# Allegro board MCU.brd (continued)
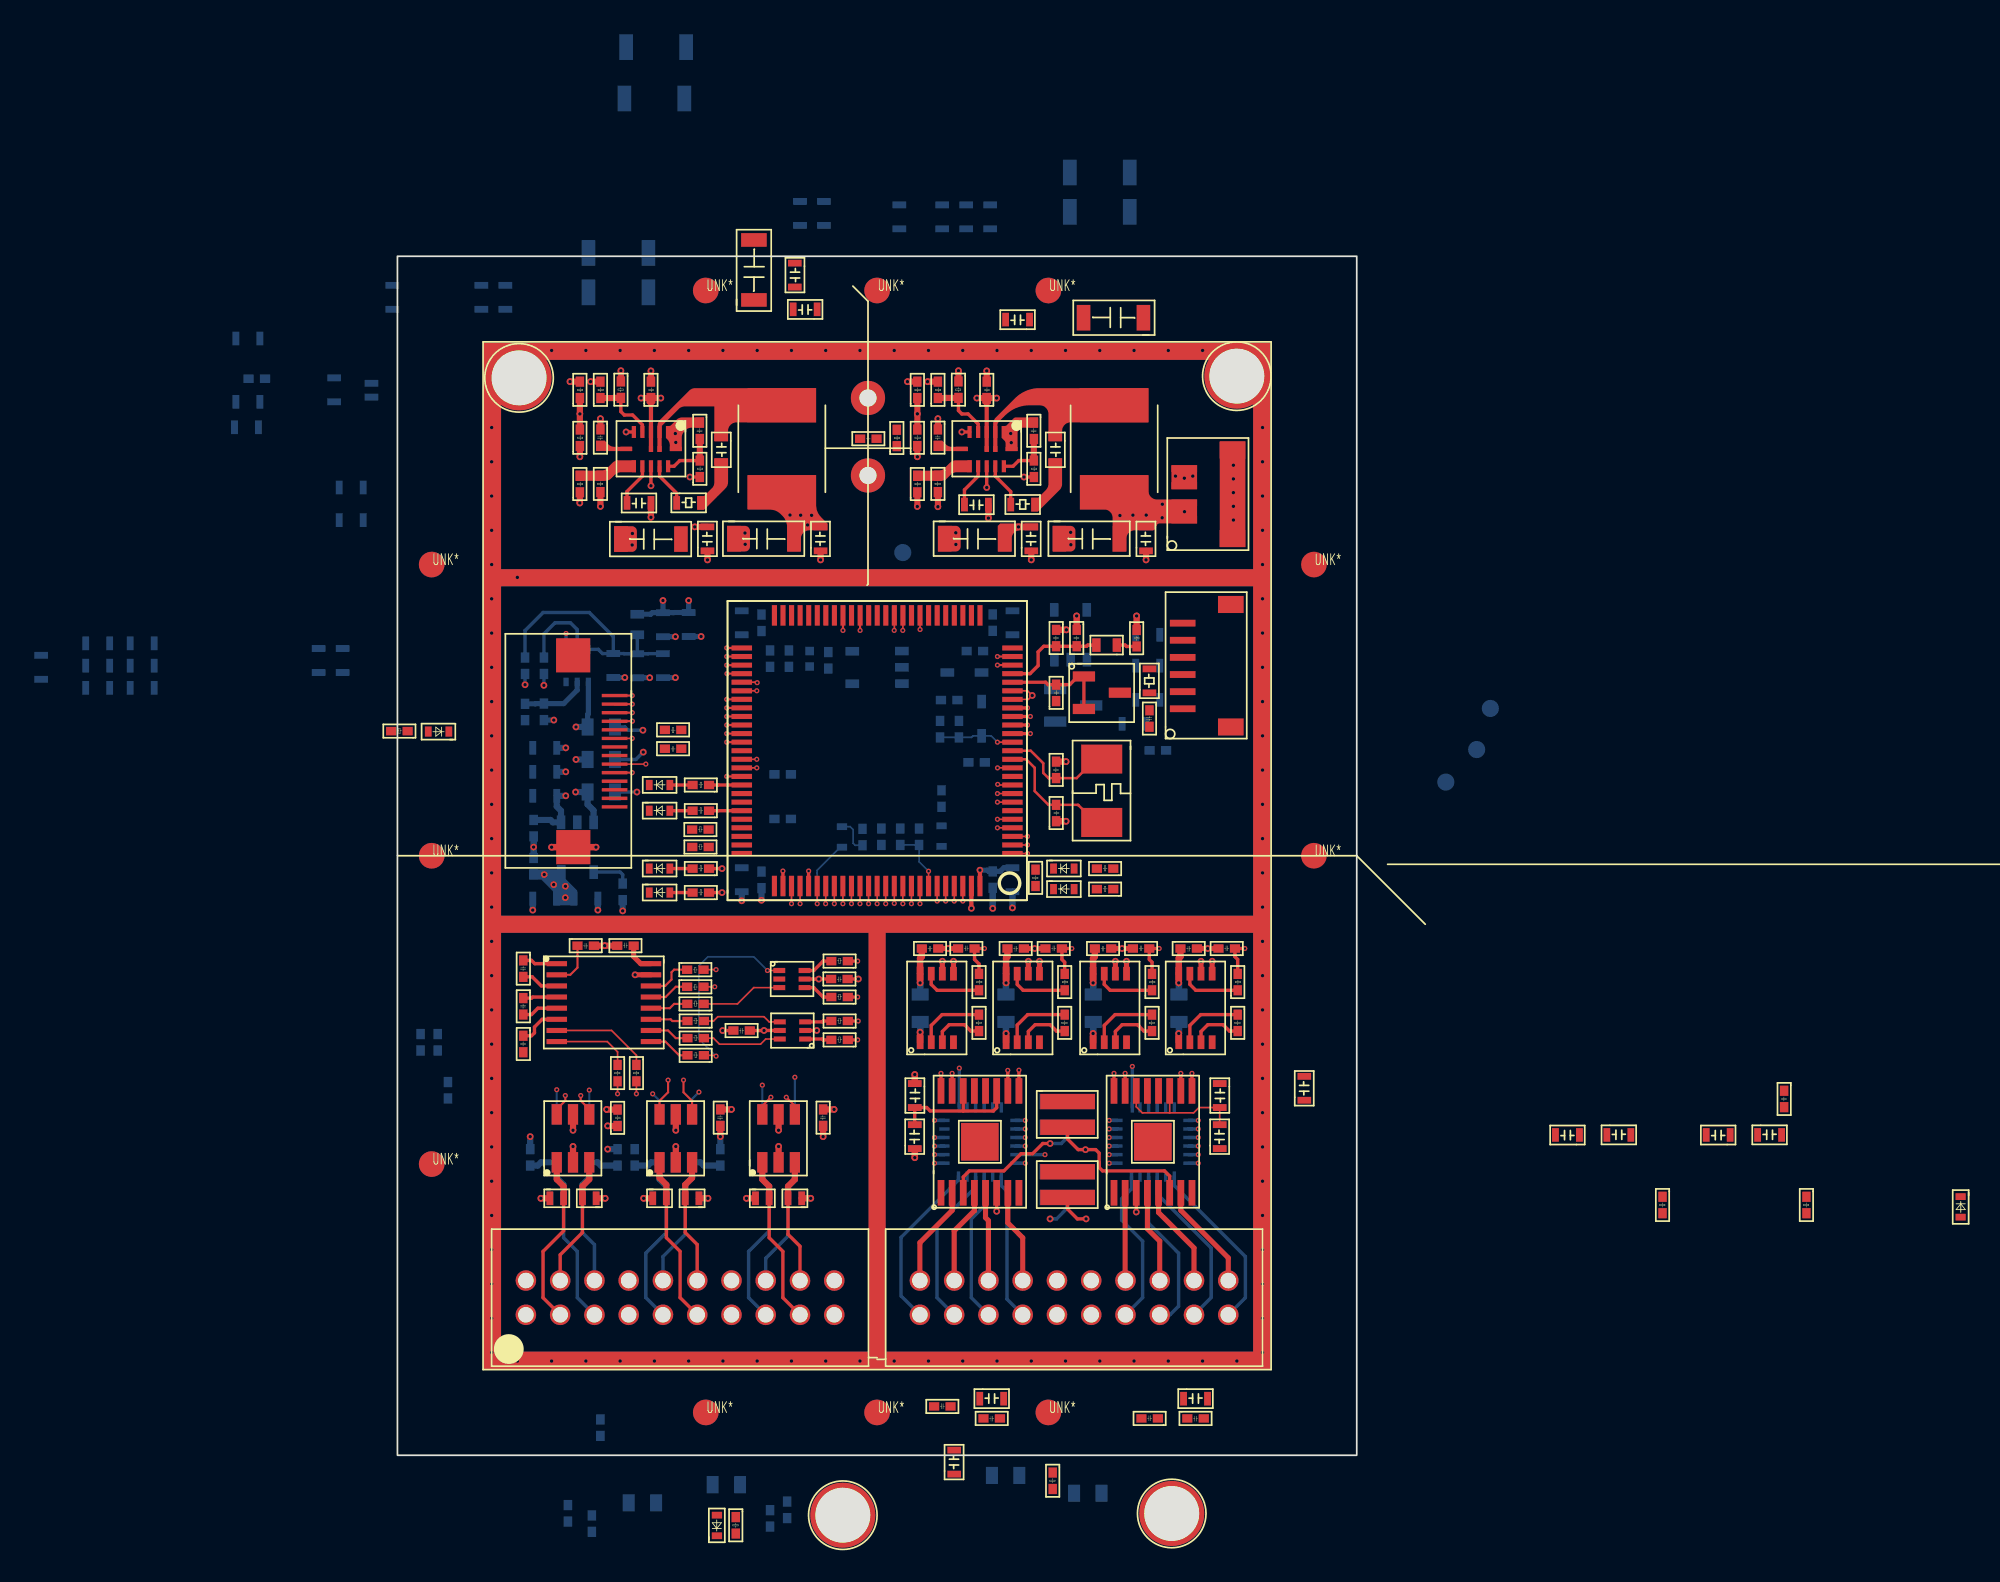
[diagram p0: board, top side]
## Placement (name value [footprint] x y rotation side) (continued)
NOREF#275  -  []  19.69 51 0 top
NOREF#276  -  []  17.43 23.82 90 top
NOREF#277  -  []  24.86 28.98 0 top
NOREF#278  -  []  41.83 15.32 0 top
NOREF#279  -  []  17.43 24.7 0 top
NOREF#280  -  []  24.6 68.9 0 top
NOREF#281  -  []  24.7 71.7 90 top
NOREF#282  -  []  43.8 47.7 90 top
NOREF#283  -  []  44.05 46.3 90 top
NOREF#284  -  []  41.4 48.3 90 top
NOREF#285  -  []  6.78 37.27 90 top
NOREF#286  -  []  -9.53 62.71 0 top
NOREF#287  -  []  33.08 1.3 0 top
NOREF#288  -  []  14.4 50.1 0 top
NOREF#289  -  []  6 28.43 0 top
NOREF#290  -  []  46.57 0.8 90 top
NOREF#291  -  []  15.39 55.2 0 top
NOREF#292  -  []  35.46 42.35 90 top
NOREF#293  -  []  25.8 34.51 90 top
NOREF#294  -  []  -9.53 66.41 0 top
NOREF#295  -  []  37.5 16.3 0 top
NOREF#296  -  []  22 33.23 0 top
NOREF#297  -  []  -4.1 62.21 0 top
NOREF#298  -  []  -12.5 44.4 90 top
NOREF#299  -  []  14.27 60.62 0 top
NOREF#300  -  []  32.8 72.31 0 top
NOREF#301  -  []  -18.3 46.01 0 top
NOREF#302  -  []  25.83 30.2 0 top
NOREF#303  -  []  9.48 59.66 90 top
NOREF#304  -  []  42.97 0.98 0 top
NOREF#305  -  []  16.07 41 90 top
NOREF#306  -  []  34.2 72.31 0 top
NOREF#307  -  []  23.1 -3.67 90 top
NOREF#308  -  []  46.65 20.1 0 top
NOREF#309  -  []  29.96 57.64 0 top
NOREF#310  -  []  15.4 13.7 90 top
NOREF#311  -  []  47.6 20.99 0 top
NOREF#312  -  []  12.3 13.7 90 top
NOREF#313  -  []  16.7 47.69 90 top
NOREF#314  -  []  17.73 30.72 90 top
NOREF#315  -  []  74.1 14.63 0 top
NOREF#316  -  []  9.42 -3.37 0 top
NOREF#317  -  []  45.22 24.3 90 top
NOREF#318  -  []  10.3 84.6 0 top
NOREF#319  -  []  40.07 43.57 90 top
NOREF#320  -  []  17.5 17.37 0 top
NOREF#321  -  []  12.9 36.1 90 top
NOREF#322  -  []  18.2 47.7 90 top
NOREF#323  -  []  7.2 44.51 90 top
NOREF#324  -  []  22.32 25.3 0 top
NOREF#325  -  []  53.3 34.1 90 top
NOREF#326  -  []  33.01 46.22 0 top
NOREF#327  -  []  39.3 -0.35 0 top
NOREF#328  -  []  -9.62 61.22 0 top
NOREF#329  -  []  29.92 37.69 0 top
NOREF#330  -  []  43.66 28.56 0 top
NOREF#331  -  []  18.51 23.45 0 top
NOREF#332  -  []  80.9 18.3 90 top
NOREF#333  -  []  37.5 12.2 90 top
NOREF#334  -  []  17.43 26.7 0 top
NOREF#335  -  []  41.4 44.5 90 top
NOREF#336  -  []  33.56 28.56 0 top
NOREF#337  -  []  34.56 42.35 0 top
NOREF#338  -  []  27.85 20.35 0 top
NOREF#339  -  []  23.3 47.5 0 top
NOREF#340  -  []  37.28 41.97 90 top
NOREF#341  -  []  38.97 28.41 0 top
NOREF#342  -  []  -5.1 56.9 90 top
NOREF#343  -  []  33 55.09 0 top
NOREF#344  -  []  22.29 27.3 0 top
NOREF#345  -  []  54.94 19.81 90 top
NOREF#346  -  []  1.82 24.13 0 top
NOREF#347  -  []  33.83 39.1 0 top
NOREF#348  -  []  20.91 37.62 0 top
NOREF#349  -  []  -1.22 63.28 0 top
NOREF#350  -  []  38.3 49.29 0 top
NOREF#351  -  []  -5.1 57.71 0 top
NOREF#352  -  []  16.45 27.96 0 top
NOREF#353  -  []  37.95 16.25 90 top
NOREF#354  -  []  38.56 28.56 0 top
NOREF#355  -  []  10.26 57.64 0 top
NOREF#356  -  []  32.47 1.68 0 top
NOREF#357  -  []  37.19 61.1 0 top
NOREF#358  -  []  72.1 18.3 90 top
NOREF#359  -  []  40.85 49.4 0 top
NOREF#360  -  []  34.88 62.23 90 top
NOREF#361  -  []  14.5 68.7 0 top
NOREF#362  -  []  82.5 14.63 0 top
NOREF#363  -  []  12.19 45.3 0 top
NOREF#364  -  []  8.2 14.7 90 top
NOREF#365  -  []  -14.1 47.81 0 top
NOREF#366  -  []  -1.2 47.2 90 top
NOREF#367  -  []  49.3 34.1 0 top
NOREF#368  -  []  77.9 19.91 0 top
NOREF#369  -  []  26.55 58.96 0 top
NOREF#370  -  []  9.39 31.3 90 top
NOREF#371  -  []  17.69 59.5 90 top
NOREF#372  -  []  30.15 30.75 0 top
NOREF#373  -  []  15.39 56.8 0 top
NOREF#374  -  []  33.58 47.67 0 top
NOREF#375  -  []  7.84 40.85 0 top
NOREF#376  -  []  25.83 25.6 0 top
NOREF#377  -  []  18.98 24.22 90 top
NOREF#378  -  []  19.29 37 90 top
NOREF#379  -  []  21.6 69.2 0 top
NOREF#380  -  []  31.94 61.95 0 top
NOREF#381  -  []  7.38 44.06 90 top
NOREF#382  -  []  19.69 49.4 90 top
NOREF#383  -  []  41.02 46.9 90 top
NOREF#384  -  []  7.8 38.91 0 top
NOREF#385  -  []  34.34 26.68 90 top
NOREF#386  -  []  42.03 17.05 90 top
NOREF#387  -  []  47.13 29.97 90 top
NOREF#388  -  []  18.51 35.5 0 top
NOREF#389  -  []  33.02 42.41 90 top
NOREF#390  -  []  17.73 32.12 90 top
NOREF#391  -  []  7.2 44.51 0 top
NOREF#392  -  []  40.38 -1.47 90 top
NOREF#393  -  []  22.32 46.53 0 top
NOREF#394  -  []  37.5 16.3 0 top
NOREF#395  -  []  21.31 32.8 90 top
NOREF#396  -  []  6.1 44.51 90 top
NOREF#397  -  []  49.2 20.99 90 top
NOREF#398  -  []  35.8 60.61 90 top
NOREF#399  -  []  30.5 71.5 90 top
NOREF#400  -  []  25.83 28.32 90 top
NOREF#401  -  []  36.25 47.34 90 top
NOREF#402  -  []  20.5 25.26 90 top
NOREF#403  -  []  36.15 23.1 90 top
NOREF#404  -  []  29 40.13 90 top
NOREF#405  -  []  -16.7 47.8 90 top
NOREF#406  -  []  -9.15 61.68 0 top
NOREF#407  -  []  6.78 39.15 0 top
NOREF#408  -  []  41.8 67.2 90 top
NOREF#409  -  []  8.52 23.07 90 top
NOREF#410  -  []  11.8 31.31 0 top
NOREF#411  -  []  25.8 34.51 0 top
NOREF#412  -  []  23.1 13.7 0 top
NOREF#413  -  []  29.18 56.86 90 top
NOREF#414  -  []  12.7 -3.97 90 top
NOREF#415  -  []  -2.6 47.2 90 top
NOREF#416  -  []  37.11 47.8 90 top
NOREF#417  -  []  12.5 16.59 90 top
NOREF#418  -  []  31.14 42.41 0 top
NOREF#419  -  []  35.3 52.72 90 top
NOREF#420  -  []  13.56 21.37 90 top
NOREF#421  -  []  5.85 40.3 0 top
NOREF#422  -  []  30.41 38.32 0 top
NOREF#423  -  []  16.9 53.51 0 top
NOREF#424  -  []  16.75 34.34 90 top
NOREF#425  -  []  21.64 49.26 90 top
NOREF#426  -  []  36.55 20.1 0 top
NOREF#427  -  []  6 28.43 90 top
NOREF#428  -  []  21.4 15.3 90 top
NOREF#429  -  []  49.07 28.41 0 top
NOREF#430  -  []  20.5 25.26 0 top
NOREF#431  -  []  25.83 26.7 0 top
NOREF#432  -  []  42 52.72 90 top
NOREF#433  -  []  15.91 45.3 90 top
NOREF#434  -  []  32.09 -2.8 0 top
NOREF#435  -  []  42.97 0.98 90 top
NOREF#436  -  []  21.4 13.7 90 top
NOREF#437  -  []  16.45 26.96 0 top
NOREF#438  -  []  17.7 67.1 90 top
NOREF#439  -  []  9.48 56.86 0 top
NOREF#440  -  []  23 52.72 90 top
NOREF#441  -  []  20.2 -1.1 90 top
NOREF#442  -  []  9.55 36.95 0 top
NOREF#443  -  []  10.2 80 90 top
NOREF#444  -  []  32.27 61.4 90 top
NOREF#445  -  []  43.29 54.3 0 top
NOREF#446  -  []  41.8 67.2 90 top
NOREF#447  -  []  44.85 16.27 0 top
NOREF#448  -  []  7.8 43.3 0 top
NOREF#449  -  []  10.2 81.6 0 top
NOREF#450  -  []  41.4 45.31 0 top
NOREF#451  -  []  79.3 19.11 0 top
NOREF#452  -  []  48.4 18.59 0 top
NOREF#453  -  []  12.24 59.25 0 top
NOREF#454  -  []  44.44 26.68 90 top
NOREF#455  -  []  32.9 60.62 90 top
NOREF#456  -  []  43.29 52.7 90 top
NOREF#457  -  []  28.9 72.31 0 top
NOREF#458  -  []  23.02 46.43 0 top
NOREF#459  -  []  -8.02 60.41 90 top
NOREF#460  -  []  13.29 62.23 0 top
NOREF#461  -  []  29.18 59.66 90 top
NOREF#462  -  []  8.52 25.27 90 top
NOREF#463  -  []  32.1 54.32 0 top
NOREF#464  -  []  11.5 17.37 0 top
NOREF#465  -  []  40.12 24.3 90 top
NOREF#466  -  []  35.12 24.3 90 top
NOREF#467  -  []  39.3 46.45 0 top
NOREF#468  -  []  36.62 56.01 0 top
NOREF#469  -  []  19 56.01 90 top
NOREF#470  -  []  31.4 72.31 0 top
NOREF#471  -  []  0.9 66.8 90 top
NOREF#472  -  []  17.26 58.87 0 top
NOREF#473  -  []  15.29 41 0 top
NOREF#474  -  []  38.4 42.83 90 top
NOREF#475  -  []  11.65 38 90 top
NOREF#476  -  []  6.1 66.8 90 top
NOREF#477  -  []  28.2 21.01 0 top
NOREF#478  -  []  29.18 59.66 0 top
NOREF#479  -  []  45.33 39.98 90 top
NOREF#480  -  []  32.09 -2.8 90 top
NOREF#481  -  []  34.35 1.68 90 top
NOREF#482  -  []  18.46 22.25 0 top
NOREF#483  -  []  34.1 42 90 top
NOREF#484  -  []  33 55.09 90 top
NOREF#485  -  []  30.74 55.76 90 top
NOREF#486  -  []  44.19 2.9 90 top
NOREF#487  -  []  27.98 56.85 90 top
NOREF#488  -  []  11.8 31.31 90 top
NOREF#489  -  []  26.74 28.2 90 top
NOREF#490  -  []  49.44 26.68 90 top
NOREF#491  -  []  -16.7 46.5 90 top
NOREF#492  -  []  8.2 15.7 0 top
NOREF#493  -  []  17.3 -3.4 90 top
NOREF#494  -  []  11.65 39.9 90 top
NOREF#495  -  []  3.7 24.13 90 top
NOREF#496  -  []  -18.8 46.8 90 top
NOREF#497  -  []  79.5 19.1 90 top
NOREF#498  -  []  34.12 42.41 90 top
NOREF#499  -  []  44.3 45.22 0 top
NOREF#500  -  []  8.61 41.7 90 top
NOREF#501  -  []  12.37 30.14 0 top
NOREF#502  -  []  23.43 35.98 90 top
NOREF#503  -  []  28 41.13 90 top
NOREF#504  -  []  21.55 35.98 0 top
NOREF#505  -  []  42.6 75.7 0 top
NOREF#506  -  []  -4.2 48.01 0 top
NOREF#507  -  []  -7.27 61.68 90 top
NOREF#508  -  []  38.8 54.32 0 top
NOREF#509  -  []  27.9 25.1 90 top
NOREF#510  -  []  35.46 48.34 0 top
NOREF#511  -  []  18.51 37 0 top
NOREF#512  -  []  15.18 62.23 90 top
NOREF#513  -  []  31.4 20.99 90 top
NOREF#514  -  []  17.43 24.82 90 top
NOREF#515  -  []  46 21.01 0 top
NOREF#516  -  []  37.28 41.97 0 top
NOREF#517  -  []  22.42 32.65 90 top
NOREF#518  -  []  34.89 56.7 0 top
NOREF#519  -  []  40.7 16.3 90 top
NOREF#520  -  []  11.32 1.63 0 top
NOREF#521  -  []  29 17.8 90 top
NOREF#522  -  []  23.1 46.53 90 top
NOREF#523  -  []  39.77 46.04 0 top
NOREF#524  -  []  11.5 16.59 90 top
NOREF#525  -  []  5.9 67.61 0 top
NOREF#526  -  []  40.25 30.75 0 top
NOREF#527  -  []  29 18.61 0 top
NOREF#528  -  []  25.83 23.72 90 top
NOREF#529  -  []  27.85 16.25 90 top
NOREF#530  -  []  38.5 -1.47 0 top
NOREF#531  -  []  15.1 46.9 0 top
NOREF#532  -  []  70.5 19.11 0 top
NOREF#533  -  []  46 20.2 90 top
NOREF#534  -  []  20.86 51.14 0 top
NOREF#535  -  []  40.25 46.45 90 top
NOREF#536  -  []  17.73 32.12 0 top
NOREF#537  -  []  36.5 -0.55 0 top
NOREF#538  -  []  39.34 26.68 90 top
NOREF#539  -  []  37.19 59.5 90 top
NOREF#540  -  []  35.9 33.73 0 top
NOREF#541  -  []  32.8 47.55 90 top
NOREF#542  -  []  17.43 22.82 90 top
NOREF#543  -  []  40.7 12.2 90 top
NOREF#544  -  []  45 26.35 0 top
NOREF#545  -  []  11.3 -3.37 90 top
NOREF#546  -  []  24.3 14.3 90 top
NOREF#547  -  []  21.2 70.51 90 top
NOREF#548  -  []  45.25 30.75 0 top
NOREF#549  -  []  16.9 52.7 90 top
NOREF#550  -  []  35.75 28.41 90 top
NOREF#551  -  []  22.19 23.94 90 top
NOREF#552  -  []  70.7 19.1 90 top
NOREF#553  -  []  11.93 30.14 90 top
NOREF#554  -  []  -18.3 47.31 0 top
NOREF#555  -  []  26.12 37.69 0 top
NOREF#556  -  []  23.5 51.89 0 top
NOREF#557  -  []  9.48 56.86 90 top
NOREF#558  -  []  7.74 25.27 0 top
NOREF#559  -  []  28.82 37.69 0 top
NOREF#560  -  []  13.6 44.48 0 top
NOREF#561  -  []  40.37 33.08 90 top
NOREF#562  -  []  -0.22 62.68 90 top
NOREF#563  -  []  45.9 44.41 90 top
R49  100K  [R0402]  10.9 61.71 90 top
R50  DNP  [R0402]  10.9 58.91 90 top
R51  100K  [R0402]  30.6 61.71 90 top
R52  DNP  [R0402]  30.6 58.91 90 top
R57  100K  [R0402]  17.9 57.1 90 top
R58  787K  [R0402]  12.79 62.7 270 top
R59  DNP  [R0402]  12.1 61.71 90 top
R60  100K  [R0402]  37.4 57.1 90 top
R61  499K  [R0402]  32.5 62.7 270 top
R62  DNP  [R0402]  31.8 61.71 90 top
R69  40.2K  [R0402]  10.9 56.21 90 top
R70  40.2K  [R0402]  30.6 56.21 90 top
R75  294K  [R0402]  11.6 57.2 270 top
R76  182K  [R0402]  31.3 57.2 270 top
R86  0  [R0603]  16.2 55.2 0 top
R87  0  [R0603]  35.7 55.1 0 top
R134  0  [R0402]  23.1 47 270 bottom
R135  DNP  [R0402]  22 47 270 bottom
R140  1K  [R0402]  18.2 39.38 180 top
R144  1K  [R0402]  18.2 37.88 180 top
R145  1K  [R0402]  18.2 33.1 180 top
R150  1K  [R0402]  18.2 34.5 180 top
R153  10K  [R0402]  18.18 36.78 180 top
R154  12K  [R0402]  29.4 58.9 90 top
R156  68K  [R0402]  27 59.1 0 top
R157  10K  [R0402]  18.18 35.76 180 top
R170  0.47  [R3216]  40.7 18.7 180 bottom
R171  0.47  [R3216]  40.7 14.6 180 bottom
R172  0.47  [R3216]  37.5 14.6 0 top
R173  0.47  [R3216]  37.5 18.7 0 top
R176  0  [R0402]  82 15.1 270 top
R178  0  [R0402]  23 -2.7 270 bottom
R180  10K  [R0402]  22 37.4 0 bottom
R181  1K  [R0402]  41.8 33.3 180 top
R182  10K  [R0402]  37 34.2 270 top
R183  1K  [R0402]  31.51 37.85 90 bottom
R184  0  [R0402]  22 -3.2 270 bottom
R186  1K  [R0402]  41.8 34.5 180 top
R187  10K  [R0402]  7.5 16.9 90 bottom
R189  10K  [R0402]  12.6 16.9 90 bottom
R291  560  [R0603]  43.8 42.3 180 bottom
R297  1K,1%  [R0603]  43 48.3 0 bottom
R298  1K,1%  [R0603]  43 46.5 0 bottom
R299  1K,1%  [R0603]  43 44.5 0 bottom
R308  DNP  [R0402]  7.2 45.6 90 bottom
R309  10K  [R0402]  15.6 42.1 0 top
R315  51.1K  [R0402]  8.8 43.89 270 bottom
R316  40.2K  [R0402]  7.2 42.9 90 bottom
R317  51.1K  [R0402]  8.3 45.6 90 bottom
R320  560  [R0603]  44.3 44.41 90 top
R321  4.7K  [R0402]  0.6 42.53 180 top
R323  10K  [R0402]  33.02 42.88 270 bottom
R324  33  [R0402]  26.3 25.6 180 top
R327  6.8K  [R0402]  38 -1 270 top
R328  10K  [R0402]  22 40 0 bottom
R331  33  [R0402]  26.3 27 180 top
R332  33  [R0402]  26.3 24.5 180 top
R334  DNP  [R0402]  17.89 26.6 180 top
R335  0  [R0402]  3.2 21.8 270 bottom
R338  33  [R0402]  26.3 29.1 180 top
R339  10  [R0402]  39.2 27.13 90 top
R340  10  [R0402]  44.3 27.13 90 top
R341  10  [R0402]  49.3 27.13 90 top
R342  10  [R0402]  34.2 27.13 90 top
R343  0  [R0402]  30.7 36.6 270 bottom
R344  DNP  [R0402]  29.6 36.6 270 bottom
R345  0  [R0402]  1.6 24.6 270 bottom
R346  DNP  [R0402]  17.9 25.6 180 top
R347  0  [R0402]  2.6 24.6 270 bottom
R348  DNP  [R0402]  17.9 24.6 180 top
R349  DNP  [R0402]  17.9 23.6 180 top
R350  0  [R0402]  12.1 2.1 270 bottom
R358  2.05K,1%  [R0402]  43.8 25.73 270 top
R359  2.05K,1%  [R0402]  48.8 25.73 270 top
R360  2.05K,1%  [R0402]  33.7 25.73 270 top
R361  2.05K,1%  [R0402]  38.7 25.73 270 top
R363  0  [R0402]  73.6 15.1 270 top
R368  0  [R0402]  13.7 22.8 270 top
R369  DNP  [R0402]  12.6 22.8 270 top
R370  0  [R0402]  10.2 -2.9 270 bottom
R371  DNP  [R0402]  16.9 28.1 0 top
R372  0  [R0402]  16.9 27.1 0 top
R373  0  [R0402]  11.6 -3.5 270 bottom
R374  1K  [R0402]  26.9 35.6 90 bottom
R377  10K  [R0402]  13.6 16.9 90 bottom
R378  10K  [R0402]  18.6 16.9 90 bottom
R379  6.8K  [R0402]  19.5 -3.6 270 top
TP1  T POINT R  [TP_SMD_CIR_1D0]  29.5 52.7 180 bottom
TP2  T POINT R  [TP_SMD_CIR_1D0]  63 41.2 180 bottom
TP4  T POINT R  [TP_SMD_CIR_1D0]  63.8 43.6 180 bottom
TP35  T POINT R  [SCREW-M3]  7.1 62.9 0 top
TP36  T POINT R  [SCREW-M3]  49 63 0 top
TP37  T POINT R  [SCREW-M3]  45.2 -3.4 0 top
TP38  T POINT R  [SCREW-M3]  26 -3.5 0 top
TP63  T POINT R  [TP_SMD_CIR_1D0]  61.2 39.3 180 bottom
TP64  T POINT R  [TP_THR_CIR_2D0_1D0]  27.47 61.73 0 top
TP65  T POINT R  [TP_THR_CIR_2D0_1D0]  27.47 57.2 0 top
U11  MP2326GD  [QFN-14]  14.8 58.75 270 top
U12  MP2326GD  [QFN-14]  34.4 58.75 270 top
U19  STM32F103VET6  [LQFP-100]  28 41.13 90 top
U21  SGM2028-3.3  [SOT-23-5]  10.5 35.5 0 bottom
U22  MCP6001T-I/OT  [SOT-23-5]  28 46 270 bottom
U25  SN74LVC2G34DBVR  [SOT-23-6]  17.2 17.1 90 bottom
U26  DRV8848PWPR  [HTSSOP-16]  34 18.3 90 top
U27  DRV8848PWPR  [HTSSOP-16]  44.1 18.3 90 top
U28  DRV8846RGER  [VQFN-24]  44.1 18.3 90 bottom
U31  SN74LVC2G34DBVR  [SOT-23-6]  11.2 17.1 90 bottom
U37  MCP6001T-I/OT  [SOT-23-5]  39.3 47.9 180 bottom
U38  TPS74601PBQWDRVRQ1  [WSON-6]  10.5 46.1 90 bottom
U39  TL431AIDBZT  [SOT-23-3]  39.77 43 0 top
U40  TL431AIDBZT  [SOT-23-3]  38.1 45.3 0 bottom
U41  SN74LVC2G34DRL  [SOT-6]  23.8 24.3 180 top
U42  SN74LVC2G34DRL  [SOT-6]  22.29 28.3 0 top
U43  AD8226ARMZ  [MSOP-8]  39.98 23.53 0 top
U44  AD8226ARMZ  [MSOP-8]  44.98 23.53 0 top
U45  AD8226ARMZ  [MSOP-8]  29.88 23.53 0 top
U46  AD8226ARMZ  [MSOP-8]  34.9 23.53 0 top
U47  SP3232EEY  [TSSOP-16]  14.8 28.7 270 top
U48  DRV8846RGER  [VQFN-24]  34 18.3 90 bottom
U50  SN74LVC2G34DBVR  [SOT-23-6]  15.3 17.1 90 top
U51  SN74LVC2G34DBVR  [SOT-23-6]  9.3 17.1 90 top
U52  SN74LVC2G34DBVR  [SOT-23-6]  23.2 17.1 90 bottom
U53  SN74LVC2G34DBVR  [SOT-23-6]  21.3 17.1 90 top
UNK*  -  [unnamed#2]  53.5 35 0 top
UNK*#2  -  [unnamed#2]  2 35 0 top
UNK*#3  -  [unnamed#2]  18 2.5 0 top
UNK*#4  -  [unnamed#2]  18 68 0 top
UNK*#5  -  [unnamed#2]  28 2.5 0 top
UNK*#6  -  [unnamed#2]  53.5 52 0 top
UNK*#7  -  [unnamed#2]  2 17 0 top
UNK*#8  -  [unnamed#2]  38 68 0 top
UNK*#9  -  [unnamed#2]  28 68 0 top
UNK*#10  -  [unnamed#2]  38 2.5 0 top
UNK*#11  -  [unnamed#2]  2 52 0 top
UNK*#12  -  [unnamed#2]  38 68 180 bottom
UNK*#13  -  [unnamed#2]  18 2.5 180 bottom
UNK*#14  -  [unnamed#2]  38 2.5 180 bottom
UNK*#15  -  [unnamed#2]  18 68 180 bottom
UNK*#16  -  [unnamed#2]  2 35 180 bottom
UNK*#17  -  [unnamed#2]  2 17 180 bottom
UNK*#18  -  [unnamed#2]  28 2.5 180 bottom
UNK*#19  -  [unnamed#2]  2 52 180 bottom
UNK*#20  -  [unnamed#2]  28 68 180 bottom
Y3  8MHz  [CRY5032]  39.6 41.3 270 top

## Library data of the parts
C61-C64 C69 C70 C75 C76 C79 C80 C84 C85 C88 C89 C103 C104 C115-C117 C124 C126 C127 C130-C132 C137 C141 C142 C154 C156 C163 C166 C167 C169 C170 C174 C177-C181 C185 C187 C188 C190 C194 C196 C364-C366 C370-C375 C385-C387 C413 C416 C422 C423 C427 C429 C435-C437 C441-C443 C460 C461 C466 C472 C487 C488 C503 C504 C513 C515 C527 C539 C566-C572 C574 C590-C592 C594-C596 C600 C601 C603 C607 C609-C611 C642 C643 C648-C652 = CAP NP
C136 C138 C139 C153 C155 C157-C162 C168 C176 C189 C203 C492-C495 C525 C532 C546 C553 C573 C606 C644-C647 C653-C655 = CAP NP: signal model: DEFAULT_CAPACITOR_100000pF_2_1
D14-D17 D19-D21 D41-D43 D56 = LED
D18 D40 = 1N4148WT
D22 D24 D25 D44 D45 D47-D50 D52-D55 = DIODE BI-DIR TRIG
J7 = HEADER1x6_1
J16 = HEADER-1X4
J22 J23 = CONNECTOR-2X10P
J24 = FPC-14P-0.5
L7 L8 = INDUCTOR
L13 L17 L20 = BEAD
R49-R52 R57-R62 R69 R70 R75 R76 R86 R87 R134 R135 R140 R144 R145 R150 R153 R154 R156 R157 R170-R173 R176 R178 R180-R184 R186 R187 R189 R291 R297-R299 R308 R309 R315-R317 R320 R321 R323 R324 R327 R328 R331 R332 R334 R335 R338-R350 R358-R361 R363 R368-R374 R377-R379 = R
TP1 TP2 TP4 TP35-TP38 TP63-TP65 = T POINT R
U11 U12 = MP2326GD
U19 = STM32F103VET6
U21 = SGM2028-3.3
U22 U37 = MCP6001T-I/OT
U25 U31 U41 U42 U50-U53 = SN74LVC2G34DRL
U26 U27 = DRV8848PWPR
U28 U48 = DRV8846RGER
U38 = TPS74601PBQWDRVRQ1
U39 U40 = TL431AIDBZT
U43-U46 = AD8226ARMZ
U47 = SP3232EEY
Y3 = CRYSTAL

## Footprints (pads in the part's own frame, mm; a bottom-side part is the same pattern mirrored in y, then rotated)
C0402
  rect 0.6x0.5 smd: 1(0.01,0.25) 2(0.97,0.25)
C0603
  rect 0.4x0.8 smd: 1(0.1,0.4) 2(1.5,0.4)
C0805
  rect 0.7x1 smd: 1(0.2,0.62) 2(1.8,0.62)
C1206
  rect 0.8x1.5 smd: 1(-0.15,0.79) 2(3.35,0.79)
CD54-IND-2P
  rect 2x4 smd: 1(0,2.54) 2(5.08,2.54)
CRY5032
  rect 1.7x2.4 smd: 1(0.66,1.51) 2(4.36,1.51)
DF1006
  rect 0.4x0.8 smd: 1(0.1,0.3) 2(0.9,0.3)
FB0402
  rect 0.5x0.5 smd: 1(0.05,0.24) 2(0.95,0.24)
FB0603
  rect 0.5x0.8 smd: 1(0.2,0.4) 2(1.4,0.4)
FPC-14P-0D5
  rect 0.2x1.5 smd: 1(-3.251,3.479) 2(-2.751,3.479) 3(-2.251,3.479) 4(-1.751,3.479) 5(-1.251,3.479) 6(-0.751,3.479) 7(-0.251,3.479) 8(0.249,3.479) 9(0.749,3.479) 10(1.249,3.479) 11(1.749,3.479) 12(2.249,3.479) 13(2.749,3.479) 14(3.249,3.479)
  rect 2x2 smd: M1(-5.6,1.06) M2(5.6,1.066)
HTSSOP-16
  rect 1.5x0.4 smd: 1(-2.98,2.27) 2(-2.98,1.62) 3(-2.98,0.97) 4(-2.98,0.32) 5(-2.98,-0.33) 6(-2.98,-0.98) 7(-2.98,-1.63) 8(-2.98,-2.28) 9(2.97,-2.28) 10(2.97,-1.63) 11(2.97,-0.98) 12(2.97,-0.33) 13(2.97,0.32) 14(2.97,0.97) 15(2.97,1.62) 16(2.97,2.27)
  rect 2.2x2.2 smd: 17(0,0)
LED0402
  rect 0.4x0.6 smd: 1(-0.1,0.25) 2(1.1,0.25)
LQFP-100
  rect 0.3x1.2 smd: 1(-6.003,-7.901) 2(-5.503,-7.901) 3(-5.003,-7.901) 4(-4.503,-7.901) 5(-4.003,-7.901) 6(-3.503,-7.901) 7(-3.003,-7.901) 8(-2.503,-7.901) 9(-2.003,-7.901) 10(-1.503,-7.901) 11(-1.003,-7.901) 12(-0.503,-7.901) 13(-0.003,-7.901) 14(0.497,-7.901) 15(0.997,-7.901) 16(1.497,-7.901) 17(1.997,-7.901) 18(2.497,-7.901) 19(2.997,-7.901) 20(3.497,-7.901) 21(3.997,-7.901) 22(4.497,-7.901) 23(4.997,-7.901) 24(5.497,-7.901) 25(5.997,-7.901) 51(5.998,7.901) 52(5.498,7.901) 53(4.998,7.901) 54(4.498,7.901) 55(3.998,7.901) 56(3.498,7.901) 57(2.998,7.901) 58(2.498,7.901) 59(1.998,7.901) 60(1.498,7.901) 61(0.998,7.901) 62(0.498,7.901) 63(-0.002,7.901) 64(-0.502,7.901) 65(-1.002,7.901) 66(-1.502,7.901) 67(-2.002,7.901) 68(-2.502,7.901) 69(-3.002,7.901) 70(-3.502,7.901) 71(-4.002,7.901) 72(-4.502,7.901) 73(-5.002,7.901) 74(-5.502,7.901) 75(-6.002,7.901)
  rect 1.2x0.3 smd: 26(7.9,-6.007) 27(7.9,-5.507) 28(7.9,-5.007) 29(7.9,-4.507) 30(7.9,-4.007) 31(7.9,-3.507) 32(7.9,-3.007) 33(7.9,-2.507) 34(7.9,-2.007) 35(7.9,-1.507) 36(7.9,-1.007) 37(7.9,-0.507) 38(7.9,-0.007) 39(7.9,0.493) 40(7.9,0.993) 41(7.9,1.493) 42(7.9,1.993) 43(7.9,2.493) 44(7.9,2.993) 45(7.9,3.493) 46(7.9,3.993) 47(7.9,4.493) 48(7.9,4.993) 49(7.9,5.493) 50(7.9,5.993) 76(-7.902,5.997) 77(-7.902,5.497) 78(-7.902,4.997) 79(-7.902,4.497) 80(-7.902,3.997) 81(-7.902,3.497) 82(-7.902,2.997) 83(-7.902,2.497) 84(-7.902,1.997) 85(-7.902,1.497) 86(-7.902,0.997) 87(-7.902,0.497) 88(-7.902,-0.003) 89(-7.902,-0.503) 90(-7.902,-1.003) 91(-7.902,-1.503) 92(-7.902,-2.003) 93(-7.902,-2.503) 94(-7.902,-3.003) 95(-7.902,-3.503) 96(-7.902,-4.003) 97(-7.902,-4.503) 98(-7.902,-5.003) 99(-7.902,-5.503) 100(-7.902,-6.003)
MSOP-8
  rect 0.4x0.8 smd: 1(0.63,0.58) 2(1.28,0.58) 3(1.93,0.58) 4(2.58,0.58) 5(2.58,4.58) 6(1.93,4.58) 7(1.28,4.58) 8(0.63,4.58)
PHB2D0MM-2X10P-VER
  round 1.2 hole 0.9: 1(0,-2) 2(2,-2) 3(4,-2) 4(6,-2) 5(8,-2) 6(10,-2) 7(12,-2) 8(14,-2) 9(16,-2) 10(18,-2) 11(18,0) 12(16,0) 13(14,0) 14(12,0) 15(10,0) 16(8,0) 17(6,0) 18(4,0) 19(2,0) 20(0,0)
QFN-14
  rect 0.7x0.25 smd: 1(-0.99,1) 2(-0.99,0.5) 3(-0.99,0) 4(-0.99,-0.5) 5(-0.99,-1) 7(1.01,-1) 8(1.01,-0.5) 9(1.01,0) 10(1.01,0.5) 11(1.01,1)
  rect 0.25x0.7 smd: 6(0,-1.45) 12(0,1.45)
  rect 0.35x0.25 smd: 13(0,0.5) 14(0,0)
R0402
  rect 0.6x0.5 smd: 1(0.01,0.25) 2(0.97,0.25)
R0603
  rect 0.4x0.8 smd: 1(0.1,0.4) 2(1.5,0.4)
R3216
  rect 3.2x0.9 smd: 1(1.62,1.95) 2(1.62,0.45)
SCREW-M3
  round 3.8 hole 3.2 unplated: (0,0)
SH1D0-SMD-VER-4P
  rect 0.4x1.5 smd: 1(1.5,3.47) 2(2.5,3.47) 3(3.5,3.47) 4(4.5,3.47)
  rect 1x1.5 smd: M1(0.42,0.65) M2(5.59,0.65)
SH1D0-SMD-VER-6P
  rect 0.4x1.5 smd: 1(1.48,3.46) 2(2.48,3.46) 3(3.48,3.46) 4(4.48,3.46) 5(5.48,3.46) 6(6.48,3.46)
  rect 1x1.5 smd: M1(0.42,0.65) M2(7.57,0.65)
SOD-523F
  rect 0.5x0.8 smd: 1(0,0) 2(0,-2)
SOT-6
  rect 0.7x0.3 smd: 1(0,0) 2(0,-0.5) 3(0,-1) 4(1.48,-1) 5(1.48,-0.5) 6(1.48,0)
SOT-23-3
  rect 1.3x0.6 smd: 1(0.3,2.47) 2(0.3,0.57) 3(2.4,1.52)
SOT-23-5
  rect 0.5x0.8 smd: 1(-0.95,-1.45) 2(0,-1.45) 3(0.95,-1.45) 4(0.96,1.45) 5(-0.94,1.45)
SOT-23-6
  rect 1.2x0.6 smd: 1(0,0) 2(0,-0.95) 3(0,-1.9) 4(2.8,-1.9) 5(2.8,-0.95) 6(2.8,0)
TP_SMD_CIR_1D0
  round 1 smd: 1(0,0)
TP_THR_CIR_2D0_1D0
  round 2 hole 1: 1(0,0)
TSSOP-16
  rect 0.3x1.2 smd: 1(0,-5.5) 2(0.65,-5.5) 3(1.3,-5.5) 4(1.95,-5.5) 5(2.6,-5.5) 6(3.25,-5.5) 7(3.9,-5.5) 8(4.55,-5.5) 9(4.55,0) 10(3.9,0) 11(3.25,0) 12(2.6,0) 13(1.95,0) 14(1.3,0) 15(0.65,0) 16(0,0)
unnamed#2
  round 1.5 smd: (0,0)
VQFN-24
  rect 0.6x0.2 smd: 1(-2.03,1.25) 2(-2.03,0.75) 3(-2.03,0.25) 4(-2.03,-0.25) 5(-2.03,-0.75) 6(-2.03,-1.25) 13(2.01,-1.2) 14(2.01,-0.75) 15(2.01,-0.25) 16(2.01,0.25) 17(2.01,0.75) 18(2.01,1.25)
  rect 0.2x0.6 smd: 7(-1.25,-2.07) 8(-0.75,-2.07) 9(-0.25,-2.07) 10(0.25,-2.07) 11(0.75,-2.07) 12(1.25,-2.07) 19(1.25,2.07) 20(0.75,2.07) 21(0.25,2.07) 22(-0.25,2.07) 23(-0.75,2.07) 24(-1.25,2.07)
  rect 2.2x2.2 smd: 25(0,0)
WSON-6
  rect 0.5x0.3 smd: 1(-0.952,0.648) 2(-0.952,-0.002) 3(-0.952,-0.652) 4(0.948,-0.652) 5(0.948,-0.002) 6(0.948,0.648)
  rect 0.65x1.35 smd: 7(0,0)

## Nets
3V3_MCU: C136.1 C137.1 C138.1 C139.1 C153.1 C156.1 C158.1 C159.1 C161.1 C162.1 C168.1 C176.1 C189.1 C203.1 C460.2 C515.2 C525.1 C532.1 C539.1 C546.1 C553.1 C573.1 C591.1 C600.2 C603.2 C606.2 C609.2 C610.2 C644.1 C645.1 C646.1 C647.1 D18.2(\K\) D24.2 J22.10 J22.11 J24.7 L17.1 L20.2 R135.2 R153.2 R157.2 R181.1 R183.2 R186.1 R187.2 R189.2 R291.1 R309.2 R320.1 R323.1 R328.2 R344.1 R374.2 R377.2 R378.2 U19.6 U19.11 U19.28 U19.50 U19.75 U19.100 U21.5(\OUT\) U25.5(\VCC\) U31.5(\VCC\) U37.5 U41.5(\VCC\) U42.5(\VCC\) U47.16(\VCC\) U50.5(\VCC\) U51.5(\VCC\) U52.5(\VCC\) U53.5(\VCC\)
3V3_MCU_A: C141.2 C142.2 L17.2 U19.22
5V5_MCU_IN: C130.1 C461.2 C466.2 L13.2 R308.2 U38.4 U38.6
5V5_MCU_PWR: C75.1 C103.2 C115.2 C126.2 C416.2 C423.2 C427.2 C435.2 C436.2 C437.2 C651.2 C652.2 L7.2 L13.1 R75.2
5V_MCU: C155.1 C160.1 C488.2 C492.2 C493.2 C494.2 C495.2 C503.2 C566.1 C568.1 C570.1 C572.1 C653.2 C654.2 C655.2 R308.1 R315.2 R317.1 R321.2 U21.1 U21.3 U38.1 U43.8 U44.8 U45.8 U46.8
12V_MTR: C76.1 C104.2 C116.2 C117.2 C124.2 C127.2 C131.2 C132.2 C413.2 C422.2 C429.2 C441.2 C442.2 C443.2 C650.2 J16.1 J16.2 L8.2 R76.2
GND: C61.1 C62.1 C63.1 C64.1 C69.1 C70.1 C79.2 C80.2 C84.1 C85.1 C103.1 C104.1 C115.1 C116.1 C117.1 C124.1 C126.1 C127.1 C130.2 C131.1 C132.1 C136.2 C137.2 C138.2 C139.2 C141.1 C142.1 C153.2 C154.1 C155.2 C156.2 C157.1 C158.2 C159.2 C160.2 C161.2 C162.2 C163.2 C166.1 C167.1 C168.2 C169.1 C170.1 C174.2 C176.2 C177.2 C178.2 C179.2 C180.2 C181.2 C185.2 C187.2 C188.2 C189.2 C190.2 C194.2 C196.2 C203.2 C364.1 C365.1 C366.1 C370.1 C371.1 C372.1 C373.1 C374.1 C375.1 C385.1 C386.1 C387.1 C413.1 C416.1 C422.1 C423.1 C427.1 C429.1 C435.1 C436.1 C437.1 C441.1 C442.1 C443.1 C460.1 C461.1 C466.1 C472.1 C487.1 C488.1 C492.1 C493.1 C494.1 C495.1 C503.1 C504.1 C513.1 C515.1 C525.2 C527.1 C532.2 C539.2 C546.2 C553.2 C566.2 C567.2 C568.2 C569.2 C570.2 C571.2 C572.2 C573.2 C574.2 C590.2 C591.2 C592.2 C594.2 C595.2 C600.1 C603.1 C606.1 C607.2 C609.1 C610.1 C611.2 C642.1 C643.2 C644.2 C645.2 C646.2 C647.2 C648.2 C649.1 C650.1 C651.1 C652.1 C653.1 C654.1 C655.1 D14.1(\CATHODE\) D15.1(\CATHODE\) D16.1(\CATHODE\) D17.1(\CATHODE\) D22.1 D24.1 D25.1 D40.1 D41.1(\CATHODE\) D42.1(\CATHODE\) D44.1 D45.1 D47.1 D48.1 D49.1 D50.1 D52.1 D53.1 D54.1 D55.1 D56.1(\CATHODE\) J7.1 J7.3 J7.5 J7.M1 J7.M2(\M2\) J16.3 J16.4 J16.M1 J16.M2(\M2\) J22.7 J22.14 J23.5 J23.6 J24.5 J24.8 J24.M1 J24.M2(\M2\) R50.1 R52.1 R58.1 R61.1 R69.1 R70.1 R134.2 R154.2 R170.1 R171.1 R172.1 R173.1 R176.2 R178.2 R180.2 R182.2 R184.2 R316.1 R343.1 R363.2 R370.2 R373.2 TP65.1(\TP\) U11.1 U11.12 U12.1 U12.12 U19.10(\VSS_5\) U19.19 U19.20 U19.27 U19.49 U19.74 U19.99 U21.2 U22.2(\VSS\) U25.2 U26.13 U26.17 U27.13 U27.17 U28.18 U28.25 U31.2 U37.2(\VSS\) U38.3 U38.7 U39.3 U40.3 U41.2 U42.2 U43.1 U43.5 U43.6 U44.1 U44.5 U44.6 U45.1 U45.5 U45.6 U46.1 U46.5 U46.6 U47.15 U48.18 U48.25 U50.2 U51.2 U52.2 U53.2
VBAT_ADC: U19.29 U22.1 U22.4
VBAT_IN: C61.2 C62.2 C63.2 C64.2 C79.1 C80.1 C364.2 C365.2 C366.2 C370.2 C371.2 C372.2 C373.2 C374.2 C375.2 C385.2 C386.2 C387.2 R49.2 R51.2 R59.2 R62.2 R156.1 TP64.1(\TP\) U11.3(\VIN#3\) U11.14 U12.3(\VIN#3\) U12.14
BOOT0: R343.2 R344.2 U19.94
BOOT1: R134.1 R135.1 U19.37
ENC1_A: D50.2 J22.8 U52.3
ENC1_A_BUF: U19.24 U52.4
ENC1_B: D49.2 J22.13 U52.1
ENC1_B_BUF: U19.23 U52.6
ENC2_A: D53.2 J22.12 U53.3
ENC2_A_BUF: U19.91 U53.4
ENC2_B: D52.2 J22.9 U53.1
ENC2_B_BUF: U19.90 U53.6
ENC3_A: D45.2 J22.15 U50.3
ENC3_A_BUF: U19.60 U50.4
ENC3_B: D44.2 J22.6 U50.1
ENC3_B_BUF: U19.59 U50.6
ENC4_A: D48.2 J22.19 U51.3
ENC4_A_BUF: U19.42 U51.4
ENC4_B: D47.2 J22.2 U51.1
ENC4_B_BUF: U19.40 U51.6
LIMIT_SW1: U19.57 U31.4
LIMIT_SW2: U19.58 U31.6
LIMIT_SW3: U19.61 U25.4
LIMIT_SW4: U19.62 U25.6
LSW1: D22.2 J22.3 R187.1 U31.3
LSW2: D25.2 J22.18 R189.1 U31.1
LSW3: D54.2 J22.5 R377.1 U25.3
LSW4: D55.2 J22.16 R378.1 U25.1
M1_DRV+: J23.20 U26.2
M1_DRV-: J23.19 U26.4
M1_I_ADC: C567.1 R339.2 U19.16
M1_PWM+: U19.64 U26.10
M1_PWM-: U19.35 U26.9
M2_DRV+: J23.17 U26.7
M2_DRV-: J23.18 U26.5
M2_I_ADC: C574.1 R342.2 U19.15
M2_PWM+: U19.65 U26.16
M2_PWM-: U19.36 U26.15
M3_DRV+: J23.14 U27.2
M3_DRV-: J23.13 U27.4
M3_I_ADC: C571.1 R341.2 U19.18
M3_PWM+: U19.44 U27.16
M3_PWM-: U19.43 U27.15
M4_DRV+: J23.11 U27.7
M4_DRV-: J23.12 U27.5
M4_I_ADC: C569.1 R340.2 U19.17
M4_PWM+: U19.63 U27.9
M4_PWM-: U19.32 U27.10
MCU_LED1: R144.1 U19.70
MCU_LED2: R140.1 U19.67
MCU_LED3: R150.1 U19.77
MCU_LED4: R145.1 U19.80
MCU_RST_CPU: J24.6 R309.1 U19.33
MCU_RST_FPGA: J24.10 R328.1 U19.66
MCU_SPI2_MISO: J24.3 U19.53
MCU_SPI2_MOSI: J24.4 U19.54
MCU_SPI2_NSS: J24.1 U19.51
MCU_SPI2_SCK: J24.2 U19.52
MCU_UART1_RXD: J24.12 U19.69
MCU_UART1_TXD: J24.11 U19.68
MCU_UART3_RXD: R331.1 U19.56
MCU_UART3_TXD: R324.1 U19.55
MCU_UART4_RXD: R338.1 U19.79
MCU_UART4_TXD: R332.1 U19.78
NFAULT12: D20.1(\CATHODE\) U19.46 U26.8
NFAULT34: D21.1(\CATHODE\) U19.9 U27.8
NRST_MCU: C504.2 D40.2(\K\) J24.9 R323.2 U19.14
NSLEEP12: R180.1 U19.71 U26.1
NSLEEP34: R182.1 U19.47 U27.1
OSCIN: C527.2 U19.12 Y3.2
OSCOUT: C513.2 U19.13 Y3.1
PT100-1: J7.2 R299.2 U19.30
PT100-2: J7.4 R298.2 U19.31
PT100-3: J7.6 R297.2 U19.34
RXD1: J22.4 R350.2 R372.2
RXD2: J22.20 R335.2 R369.2
SMTR1_ADEC: U19.86 U48.19
SMTR1_DEC0: U19.89 U48.22
SMTR1_DEC1: U19.93 U48.24
SMTR1_DIR: U19.85 U48.13
SMTR1_I0: U19.87 U48.20
SMTR1_I1: U19.88 U48.21
SMTR1_M0: U19.82 U48.8
SMTR1_M1: U19.83 U48.9
SMTR1_NFAULT: D43.1(\CATHODE\) U19.81 U48.7
SMTR1_NSLEEP: U19.92 U48.23
SMTR1_PWM: U19.25 U48.12
SMTR1_TOFF_SEL: U19.84 U48.10
SMTR2_ADEC: U19.7 U28.19
SMTR2_DEC0: U19.1 U28.22
SMTR2_DEC1: U19.3 U28.24
SMTR2_DIR: U19.8 U28.13
SMTR2_I0: U19.5 U28.20
SMTR2_I1: U19.4 U28.21
SMTR2_M0: U19.96 U28.8
SMTR2_M1: U19.97 U28.9
SMTR2_NFAULT: D19.1(\CATHODE\) U19.95 U28.7
SMTR2_NSLEEP: U19.2 U28.23
SMTR2_PWM: U19.26 U28.12
SMTR2_TOFF_SEL: U19.98 U28.10
STEP1A_DRV1: J23.4 U48.1
STEP1A_DRV2: J23.3 U48.3
STEP1B_DRV1: J23.1 U48.6
STEP1B_DRV2: J23.2 U48.4
STEP2A_DRV1: J23.10 U28.1
STEP2A_DRV2: J23.9 U28.3
STEP2B_DRV1: J23.7 U28.6
STEP2B_DRV2: J23.8 U28.4
SWCLK: J24.14 R157.1 U19.76
SWDIO: J24.13 R153.1 U19.72
TXD1: J22.17 R345.1 R371.2
TXD2: J22.1 R347.1 R368.2
VMTR: C178.1 C179.1 C180.1 C181.1 C187.1 C188.1 C194.1 C196.1 C642.2 C649.2 J23.16 R327.2 U26.12 U27.12
VREF_2V5: C487.2 R320.2 U19.21 U39.1 U39.2(\REF\)
VSMTR: C174.1 C177.1 C590.1 C592.1 C643.1 C648.1 J23.15 R379.2 U28.15 U48.15
N01539: C166.2 C167.2 U26.11(\VREF\) U26.14
N02684: R170.2 U26.3 U46.4
N02906: R171.2 U26.6 U45.4
N04940: D20.2 R181.2
N07800: R360.1 U45.2
N07815: R360.2 U45.3
N08892: R361.1 U46.2
N08904: R361.2 U46.3
N10404: R339.1 U46.7(\VOUT\)
N11136: R342.1 U45.7(\VOUT\)
N27735: C169.2 C170.2 U27.11(\VREF\) U27.14
N27979: R172.2 U27.3 U44.4
N28117: R173.2 U27.6 U43.4
N28299: R358.1 U43.2
N28303: R358.2 U43.3
N28307: R359.1 U44.2
N28311: R359.2 U44.3
N28637: D21.2 R186.2
N28731: R340.1 U43.7(\VOUT\)
N28759: R341.1 U44.7(\VOUT\)
N30927: R370.1 U48.2
N30933: R373.1 U48.5
N33222: C594.1 C595.1 U48.14(\VREF\) U48.17
N38076: R363.1 U48.11
N39890: D43.2 R374.1
N41862: C185.1 C190.1 U28.14(\VREF\) U28.17
N42130: R178.1 U28.2
N42224: R184.1 U28.5
N42300: R176.1 U28.11
N42416: D19.2 R183.1
N50111: C154.2 D18.1 R154.1 R156.2 U22.3
N52095: C163.1 L20.1 U22.5
N57048: C472.2 R291.2 U37.3 U40.1 U40.2(\REF\)
N57288: R297.1 R298.1 R299.1 U37.1 U37.4
N4905822: C157.2 U21.4
N7119824: C596.1 U47.1
N7119928: C601.1 U47.4
N7119940: C607.1 U47.2
N7119964: C596.2 U47.3
N7119992: C611.1 U47.6
N7120000: C601.2 U47.5
N7132397: R371.1 U47.14
N7132401: R368.1 U47.7
N7132405: R372.1 U47.13
N7132409: R369.1 U47.8
N7303093: R345.2 R346.2 U47.11
N7303131: R347.2 R348.2 U47.10
N7303158: R334.2 R350.1 U47.12
N7303185: R335.1 R349.2 U47.9
N7362382: D41.2 R321.1
N7735309: TP4.1(\TP\) U19.48
N7767499: TP63.1(\TP\) U19.38
N7936310: D15.2 R144.2
N7936621: D14.2 R140.2
N7936920: D17.2 R150.2
N7937230: D16.2 R145.2
N8000304: TP2.1(\TP\) U19.45
N8000357: TP1.1(\TP\) U19.39
N8196940: R58.2 R59.1 U11.4
N8196944: R49.1 R50.2 U11.9
N8196950: C84.2 R57.2 U11.11
N8196956: R57.1 U11.5
N8196998: C69.2 U11.6
N8197004: R86.1 U11.10
N8197008: C88.1 L7.1 U11.2 U11.13
N8197018: C88.2 R86.2
N8197022: C75.2 U11.8
N8197032: R69.2 R75.1 U11.7
N8197074: R87.1 U12.10
